# KiCad board Panel2.kicad_pcb (continued)
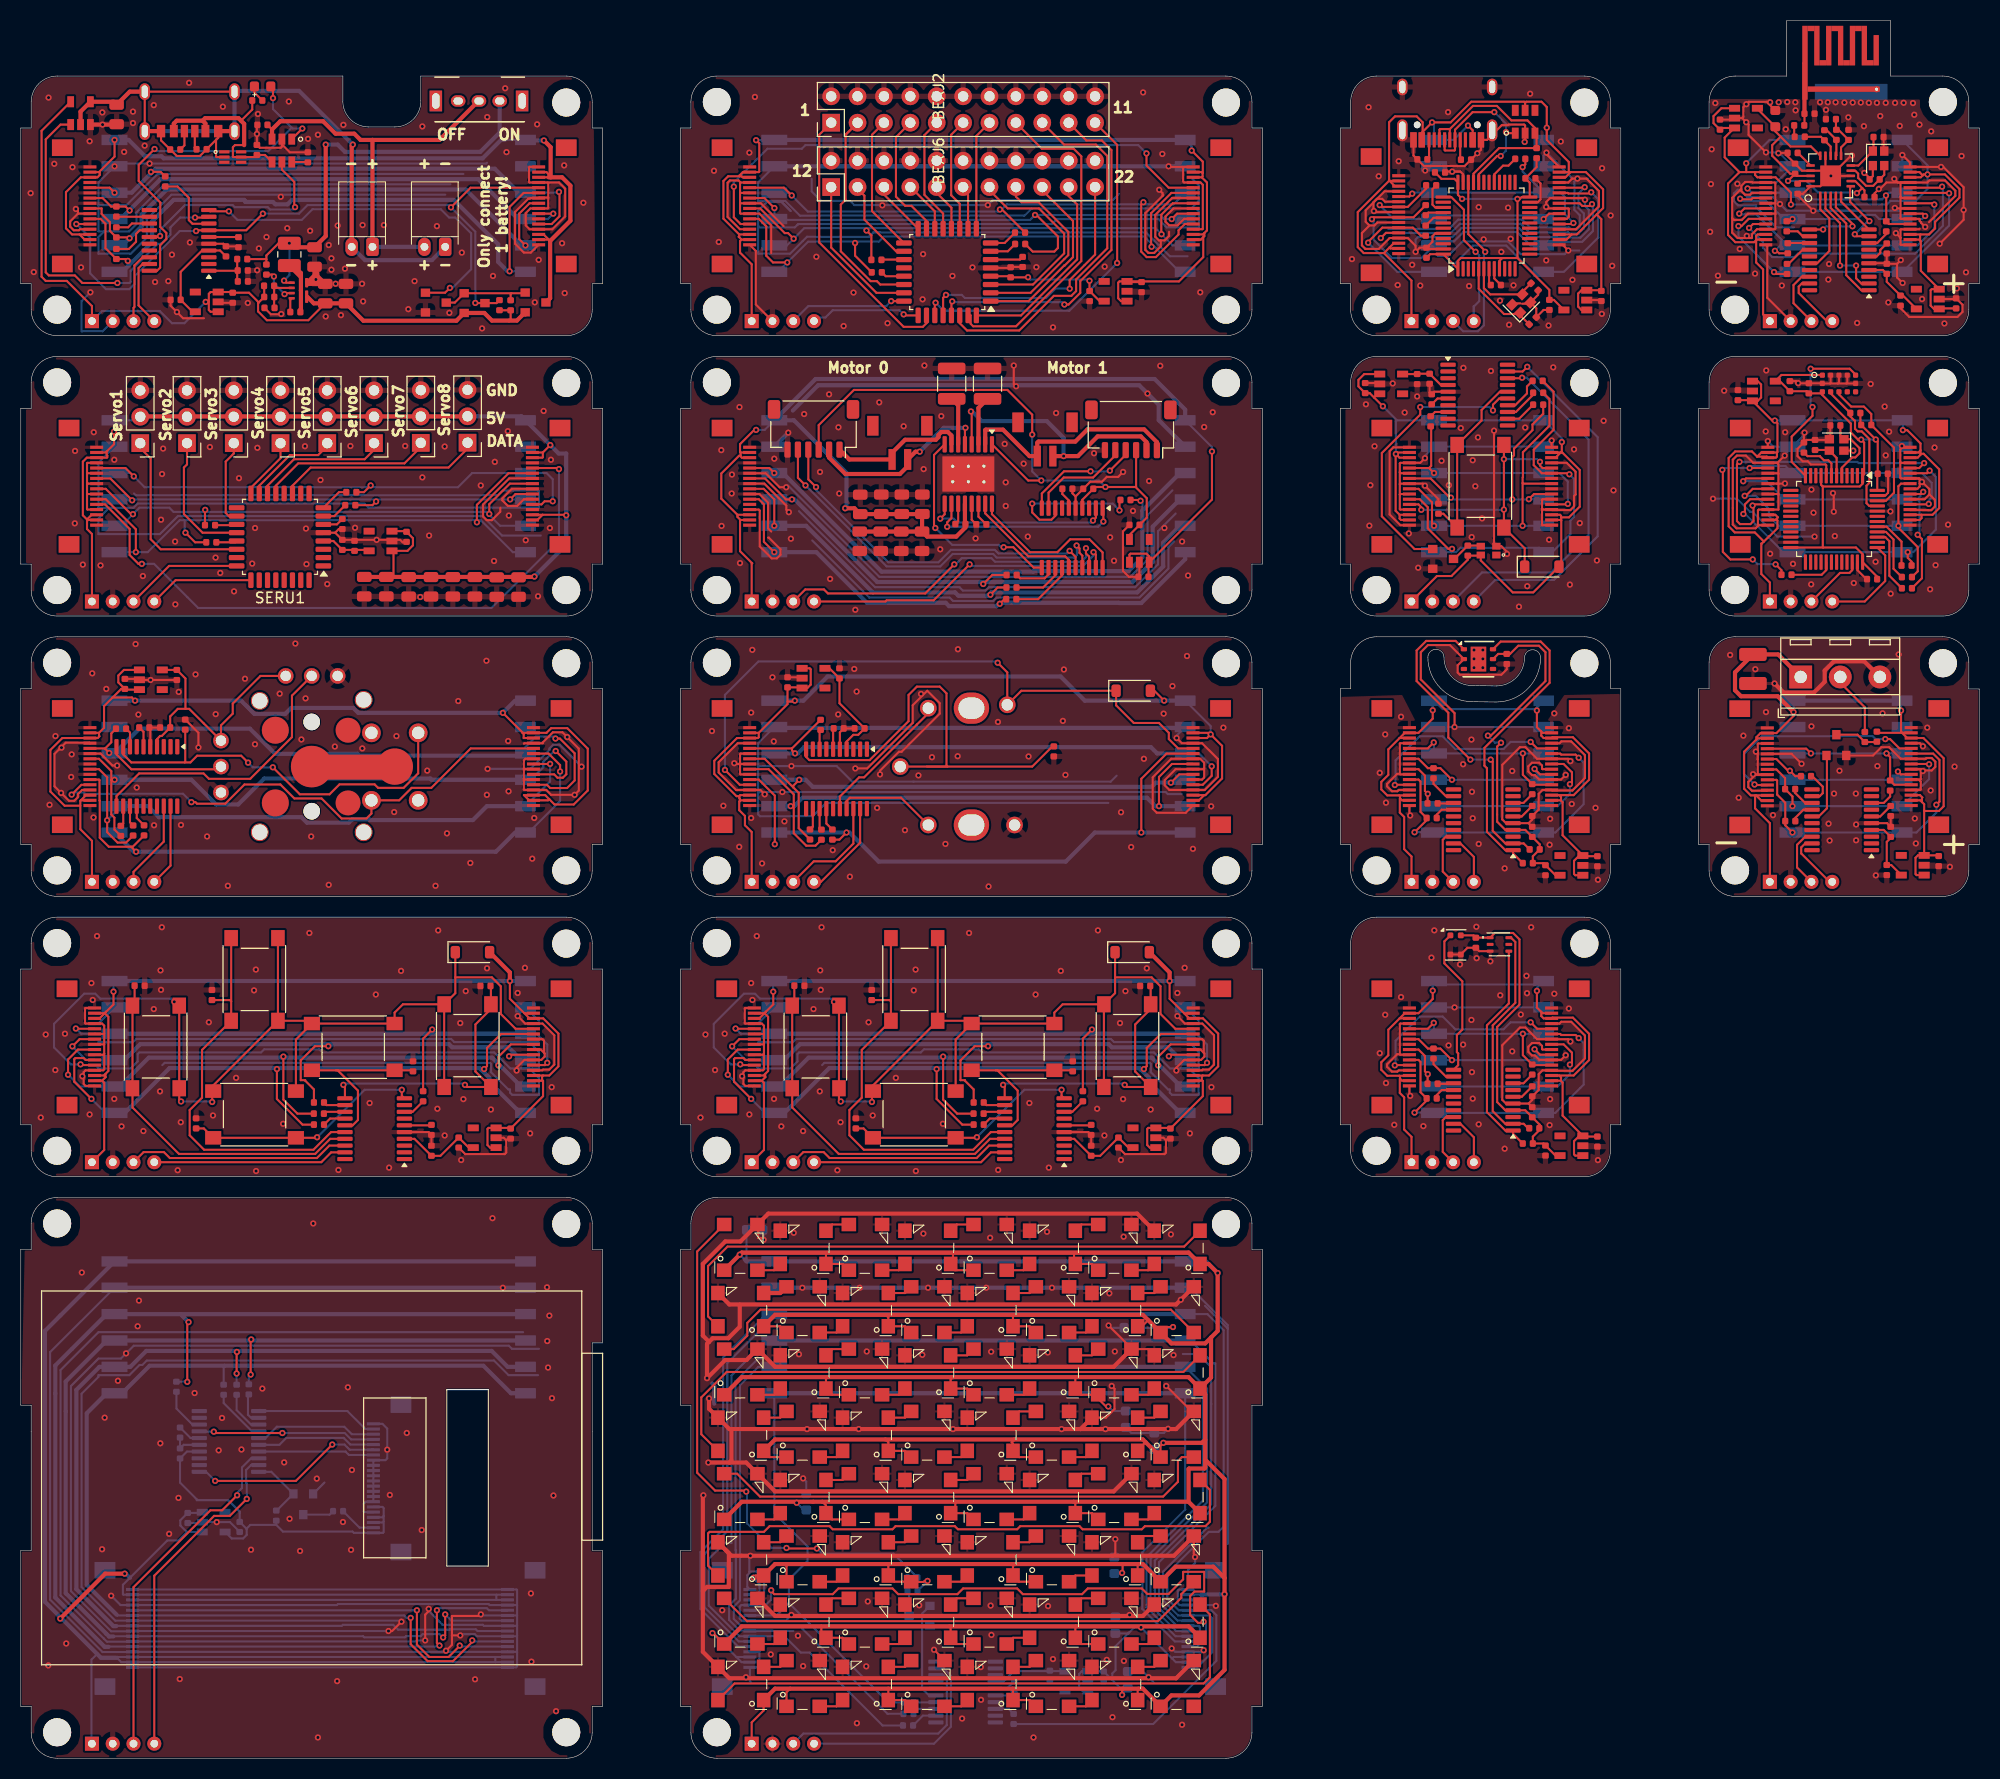
[diagram p0: board, top side]
## Routing (per net, layer and track width the routed paths; a pad name or vN(x,y) marks a point on that pad's centre or on a via; arc(x,y) is an arc through that point) (continued)
USB_USB_D-: length 17.9
  Top w0.2: USBU1.32 140.32,152.53 142.09,154.3 v1(142.44,154.3) ; v1(141.82,158.53) 139.74,158.53 138.04,156.83 138.04,154.88 138,154.83 137.09,154.83 137.04,154.88 137.04,155.85 ; USBIC1.1 143.05,156.5 v1(142.95,156.6)
  Bottom w0.2: v1(142.44,154.3) 142.95,154.81 v1(142.95,156.6) 142.95,157.4 v1(141.82,158.53)
USB_VDD: length 39.8
  Top w0.2: USBC1.1 135.65,144.85 USBU1.48 USBU1.1 138.32,144.21 138.59,144.47 142.88,144.47 ; v1(138.72,150.17) 138.32,150.57 USBU1.36 137.98,152.1 136.74,152.1 136.12,152.72 ; 144.06,144.47 144.06,149.94 144.47,150.35 USBU1.24 145.24,151.73 USBC5.1 145.9,153.24 USBR12.2 ; 144.06,144.47 147.12,141.41 USBC9.1 147.56,140.44 USBU2.5 ; 144.06,144.47 142.88,144.47 ; 142.88,144.47 142.59,144.47 142.32,144.21 USBU1.9
  Bottom w0.2: v1(138.72,150.17) v1(144.05,150.17)
WIR_5V: length 91
  Top w0.2: 183.06,152.44 183.15,152.53 v1(183.53,152.53) 185.2,152.53 186.6,151.12 186.6,150.3 184.25,147.95 184.25,147.33 183.68,146.75 182.85,146.75 ; 183.06,152.44 182.88,152.25 WIRJ3.14 ; 183.06,152.44 182.75,152.75 WIRJ3.15 ; 182.85,146.75 WIRJ3.3 ; 182.85,146.75 182.81,146.71 182.81,146.16 ; v1(170.37,149.63) 170.37,150.77 168.9,152.25 WIRJ5.3 167.15,152.25 166.93,152.47 166.93,152.75 ; 182.81,146.16 182.72,146.25 WIRJ3.2 ; 182.81,146.16 182.88,146.09 182.88,143.25 184.65,141.47 183.92,141.47 183.82,141.38 183.82,139.9 184.15,139.57 WIRU2.1 184.7,139.62 WIRC8.1 ; 166.93,152.75 WIRJ5.2 ; 166.93,152.75 166.07,152.75 ; v1(166.07,153.6) 166.07,152.75 ; 166.07,152.75 165.43,152.75 ; 165.43,152.75 164.32,151.65 164.32,146.7 165.03,146 166.83,146 167.08,146.25 ; 165.43,152.75 164,154.18 164,156.07 164.93,157 WIRU1.3 163.71,157 WIRC11.1 162.93,157.47 162.93,158.14 163.68,158.9 WIRU1.1 ; 167.03,146.2 167.03,144.05 167.7,143.38 167.7,139.05 WIRJ4.1 ; 167.03,146.2 167.03,146.59 167.03,146.6 167.18,146.75 WIRJ5.14 ; 167.03,146.2 167.08,146.25 ; WIRJ5.15 167.08,146.25
  Bottom w0.2: WIRJ2.6 183.53,153.4 v1(183.53,152.53) 183.53,151.12 182.38,149.97 179.95,149.97 179.61,149.63 v1(170.37,149.63) ; v1(166.07,153.6) 168.32,155.85 WIRJ1.1
WIR_GND: length 160.1
  Top w0.2: 180.92,150.38 180.92,151.7 180.97,151.75 WIRJ3.13 ; 180.92,150.38 180.92,149.22 ; 180.92,150.38 181.04,150.25 WIRJ3.10 ; WIRU3.5 179.54,143.97 WIRC2.2 ; 166.12,146.4 166.59,146.4 166.62,146.43 166.62,146.77 167.11,147.25 WIRJ5.13 168.83,147.25 168.88,147.3 168.88,148.72 ; 166.12,146.4 166.12,146.6 v1(166.13,146.61) ; 166.12,146.4 165.25,146.4 164.72,146.93 164.72,148.32 ; WIRU4.21 173.2,151.39 WIRU4.20 171.54,150.66 171.03,150.66 171.03,150.53 v1(172.53,149.03) ; WIRU4.21 174.21,152.39 176.17,154.35 v1(176.25,154.35) ; WIRU4.21 173.7,152.89 ; WIRU4.21 v1(174.22,152.39) WIRU4.8 ; v1(183.3,147.47) 182.9,147.88 182.9,147.93 182.77,148.05 182.77,148.2 182.72,148.25 WIRJ3.6 180.97,148.25 180.92,148.3 180.92,149.22 ; v1(181.1,154.4) 181.84,153.66 WIRJ3.16 v1(184.82,153.25) 185.04,153.25 187,151.29 v1(187,149.1) 187,148.16 v1(184.69,145.86) ; 168.88,149.72 168.88,150.68 ; 168.88,149.72 168.85,149.75 WIRJ5.8 ; 168.88,149.72 168.88,148.72 ; 168.88,150.68 168.81,150.75 WIRJ5.6 166.62,150.75 166.45,150.57 165.95,150.57 165.6,150.93 165.6,151.1 ; 168.88,150.68 168.88,151.7 168.83,151.75 WIRJ5.4 166.68,151.75 166.62,151.8 165.97,151.8 165.6,151.43 165.6,151.1 ; 165.6,151.1 165.55,151.1 164.72,150.28 164.72,148.32 ; 180.92,146.43 180.92,147.2 180.97,147.25 WIRJ3.4 182.72,147.25 182.77,147.3 ; 180.92,146.43 180.92,146.43 v1(180.47,146.88) ; 180.92,146.43 180.92,145.8 180.97,145.75 WIRJ3.1 ; v1(180.32,152.1) 180.68,151.75 WIRJ3.13 ; 173.7,152.89 WIRU4.17 171.45,152.89 WIRC15.2 170.06,154.28 170.06,154.6 169.2,154.6 v1(169.18,154.57) ; 173.7,152.89 WIRU4.14 ; 165.68,157.95 165.8,158.07 165.8,159 v1(166.09,159.29) 166.32,159.53 168.04,159.53 WIRC13.2 ; 165.68,157.95 v1(166.08,157.55) 166.3,157.33 166.3,156.33 v1(167.97,154.65) ; 165.68,157.95 WIRU1.2 164.81,157.81 WIRC11.2 ; WIRC1.2 WIRC2.2 ; WIRC2.2 180.59,143.92 ; WIRJ3.13 179.58,151.75 178.94,151.12 v1(178.83,151.12) 178.43,150.71 WIRC9.2 ; WIRJ3.13 183.5,151.75 183.7,151.95 185.21,151.95 186.2,150.96 186.2,150.46 183.66,147.93 ; WIRY2.4 179.29,154.84 WIRC5.2 ; WIRU2.2 186.21,140.53 WIRC8.2 186.9,139.97 186.9,139.29 186.41,138.8 181.77,138.8 180.93,139.65 WIRC12.2 ; 164.72,148.32 164.9,148.15 165.65,148.15 166.25,148.75 WIRJ5.10 168.85,148.75 168.88,148.72 ; 180.59,143.92 v1(180.95,144.28) ; 180.59,143.92 180.59,142.6 v1(181.12,142.07) ; WIRY2.2 178.26,152.36 WIRC6.2 177.95,152.17 v1(177.45,152.68) ; 180.92,149.22 180.94,149.25 WIRJ3.8 180.43,149.25 v1(180.38,149.3) ; WIRJ4.2 168.1,140.65 168.1,145.6 WIRJ5.16
  Bottom w0.2: 168.97,151.76 WIRJ1.2 169.26,154.57 v1(169.18,154.57) 169.1,154.65 v1(167.97,154.65) ; 180.88,149.03 169.97,149.03 168.63,150.37 166.16,150.37 165.48,151.05 165.25,151.05 164.89,150.69 164.89,149.94 165.28,149.55 167.03,149.55 167.03,149.38 168.97,147.43 170.68,147.43 ; WIRJ2.5 181.1,153.34 v1(181.1,154.4)
  vias: v1(162.6,147) v1(162.68,151.6) v1(162.75,154.95) v1(163.1,159.4) v1(163.35,142.78) v1(165.22,151.62) v1(165.45,145.35) v1(166.93,142.97) v1(168.38,159.47) v1(169.2,159.47) v1(169.32,149.68) v1(169.5,141.82) v1(169.88,156.88) v1(170.03,159.5) v1(170.8,159.47) v1(170.82,158.7) v1(173.18,159.47) v1(173.75,158.75) v1(173.93,159.47) v1(173.97,142.4) v1(174.05,143.9) v1(174.68,159.47) v1(175.53,159.45) v1(175.9,158.03) v1(176.32,159.45) v1(176.75,138.22) v1(177.1,159.45) v1(177.4,157.18) v1(177.88,159.43) v1(178.65,159.43) v1(178.97,158.15) v1(179.5,159.43) v1(179.75,140.2) v1(180.4,159.43) v1(180.85,157.2) v1(181.22,159.43) v1(182.12,159.4) v1(182.25,158.28) v1(182.75,157.32) v1(183,140.53) v1(183.88,156.68) v1(185.15,138.18) v1(186.35,141.55) v1(186.8,154.3) v1(187.22,143.1)
WIR_Interrupt5V: length 30.1
  Top w0.2: v1(166.35,147.38) 166.72,147.75 WIRJ5.12 ; WIRJ3.12 184.82,151.25 v1(184.93,151.35)
  Bottom w0.2: v1(184.93,151.35) 185,151.28 185,147.57 182.31,144.89 171.03,144.89 170.7,144.57 168.58,144.57 167.68,145.48 167.68,146.05 v1(166.35,147.38)
WIR_MISO: length 31.4
  Top w0.2: WIRJ5.9 165.9,149.25 v1(165.4,148.75) ; v1(184.18,149.62) 184.05,149.75 WIRJ3.9 ; v1(168.83,145.17) 168.99,145.17 169.23,144.93 WIRR4.2
  Bottom w0.2: WIRJ1.5 169.35,145.69 v1(168.83,145.17) ; WIRJ1.5 170.03,145.69 167.04,148.69 165.46,148.69 v1(165.4,148.75) ; WIRJ1.5 WIRJ2.2 182.55,145.69 184.18,147.32 v1(184.18,149.62)
WIR_MOSI: length 35.6
  Top w0.2: v1(168.75,143.12) 168.94,142.94 WIRR2.2 ; WIRJ3.11 185.56,150.75 ; WIRJ5.11 166.31,148.25 165.61,147.55 v1(165.32,147.55)
  Bottom w0.2: v1(165.32,147.55) 165.32,146.55 v1(168.75,143.12) 170.5,143.12 WIRJ1.6 WIRJ2.1 181.14,143.15 185.6,147.61 v1(185.6,150.71)
WIR_Net-(AE1-A): length 6.1
  Top w0.2: WIRC10.2 171.68,157.27 WIRC7.1
  Top w0.4: WIRC7.1 171.68,163.23 171.73,163.28
WIR_Net-(C10-Pad1): length 1.1
  Top w0.2: WIRC10.1 170.69,156.2 WIRL3.1
WIR_Net-(U3-NRST): length 2.4
  Top w0.2: WIRU3.6 178.62,144.62 178.98,144.98 178.98,145.26 WIRC1.1
WIR_Net-(U3-PA1): length 2.3
  Top w0.2: WIRU3.8 178.69,145.93 179.55,146.79 WIRR1.1
WIR_Net-(U3-PA5): length 2.4
  Top w0.2: WIRU3.12 171.51,146.57 171.03,147.05 WIRR3.1
WIR_Net-(U3-PA6): length 2.1
  Top w0.2: WIRR4.1 170.1,145.93 WIRU3.13
WIR_Net-(U3-PA7): length 2.7
  Top w0.2: WIRU3.14 171.51,145.28 170.14,143.91 WIRR2.1
WIR_Net-(U4-ANT1): length 3.1
  Top w0.2: WIRU4.12 174.75,154.38 174.75,155.85 173.82,156.78 WIRL1.1
WIR_Net-(U4-ANT2): length 3.8
  Top w0.2: WIRU4.13 174.2,155.22 173.26,156.15 WIRL3.2
WIR_Net-(U4-DVDD): length 1.3
  Top w0.2: WIRU4.19 171.28,151.89 WIRC3.1
WIR_Net-(U4-IREF): length 1.7
  Top w0.2: WIRU4.16 171.05,154.6 WIRR6.2
WIR_Net-(U4-VDD_PA): length 4.4
  Top w0.2: WIRC4.1 174.71,156.87 WIRL4.1 174.95,156.82 WIRC14.1 175.2,155.12 WIRU4.11
WIR_PS: length 22.3
  Top w0.2: WIRJ3.5 179.81,147.75 WIRR1.2 179.55,150.47 v1(179.53,150.5) ; WIRJ5.5 166.28,151.25 v1(166.2,151.18)
  Bottom w0.2: WIRJ2.4 179.79,150.77 v1(179.53,150.5) 179.15,150.12 171.17,150.12 WIRJ1.3 166.6,150.77 v1(166.2,151.18)
WIR_SCLK: length 23.8
  Top w0.2: v1(170.53,148.23) 170.31,148.02 WIRR3.2 ; v1(165.49,150.19) 165.55,150.12 166.56,150.12 166.69,150.25 WIRJ5.7 ; WIRJ3.7 183.07,148.75 v1(183.3,148.53)
  Bottom w0.2: v1(165.49,150.19) 165.71,149.97 167.98,149.97 169.72,148.23 v1(170.53,148.23) 176.78,148.23 177.18,148.63 178.47,148.63 178.88,148.23 WIRJ2.3 183,148.23 v1(183.3,148.53)
WIR_SWDCLK: length 6.1
  Top w0.2: 172.16,142.03 171.43,142.03 171.12,141.72 171.12,141.11 173.83,138.4 WIRJ4.4
WIR_SWDIO: length 6.1
  Top w0.2: WIRJ4.3 170.62,140.12 170.62,141.87 171.43,142.68 WIRU3.18
WIR_VDD: length 6.6
  Top w0.2: WIRU3.4 179.22,143.32 WIRC2.1 179.6,142.19 WIRC12.1 181.16,140.86 WIRU2.5
WIR_VDD_NRF: length 26
  Top w0.2: WIRU1.5 167.15,158.84 WIRC13.1 168.88,156.68 170.33,155.22 172.31,155.22 WIRU4.15 ; 169.39,156.16 168.57,155.35 168.57,154.33 170.31,152.59 WIRC15.1 ; v1(176.72,150.72) 176.75,150.72 177.24,151.21 ; WIRU4.7 176.56,151.89 177.24,151.21 ; 177.24,151.21 177.46,151 177.46,150.35 ; v1(170.1,151.9) 170.1,151.91 WIRC15.1 ; WIRC15.1 170.98,152.39 WIRU4.18
  Bottom w0.2: v1(170.1,151.9) 171.88,151.9 172.97,150.8 176.65,150.8 v1(176.72,150.72)
WIR_W_CSN: length 11.5
  Top w0.2: v1(176.65,143.75) 176.65,142.53 177.15,142.03 177.89,142.03 ; WIRU4.2 173.7,149.23 175.1,147.83 v1(175.1,143.75)
  Bottom w0.2: v1(176.65,143.75) v1(175.1,143.75)
WIR_W_Enable: length 8.1
  Top w0.2: WIRU3.16 172.9,143.97 174.07,145.15 174.07,148.29 173.2,149.17 WIRU4.1
WIR_W_INT: length 7.5
  Top w0.2: WIRU4.6 176.07,151.32 176.07,149.89 v1(177.93,148.03) ; WIRU3.9 176.71,146.57 v1(176.52,146.76)
  Bottom w0.2: v1(177.93,148.03) 177.79,148.03 v1(176.52,146.76)
WIR_W_MISO: length 4.3
  Top w0.2: 177.89,147.22 175.2,149.91 WIRU4.5
WIR_W_MOSI: length 7.8
  Top w0.2: WIRU4.4 174.7,149.37 176.3,147.77 v1(176.3,147.53) ; v1(173.47,147.22) 172.16,147.22
  Bottom w0.2: v1(176.3,147.53) 173.78,147.53 v1(173.47,147.22)
WIR_W_SCK: length 11
  Top w0.2: WIRU4.3 174.2,149.3 175.7,147.8 175.7,142.83 177.15,141.38 WIRU3.1
WIR_XC13: length 4.1
  Top w0.2: WIRC5.1 178.32,154.84 WIRY2.1 176.87,153.39 WIRU4.10
WIR_XC23: length 5.4
  Top w0.2: WIRU4.9 176.56,152.89 176.85,152.6 176.85,152.19 177.61,151.43 178.3,151.43 WIRC6.1 179.36,152.49 WIRY2.3

## Copper pours and planes (outline as drawn; the poured copper is in the pictures)
BAT_GND on Top, Bottom: -0.77,162.65 55.1,162.7 55.35,136.5 -1.08,136.3
BEX_GND on Top, Bottom: 62.52,163.15 120.78,162.8 121.72,135.78 62.12,136.57
BLK_GND on Top, Bottom: 62,82.1 121.47,82.55 120.85,55.78 61.75,55.15
BTS_GND on Top, Bottom: -1.5,82.1 57.98,82.55 57.35,55.78 -1.75,55.15
BUT_GND on Top, Bottom: 127.5,135.5 161.5,135.5 161.5,109.5 127.5,109.5
DIA_GND on Top, Bottom: 62.95,108.6 121.4,109.03 121.78,82.08 62.7,82.4
DIS_GND on Top, Bottom: 160.4,136.25 195.9,135.6 195.9,109.6 159.35,109.05
JOY_GND on Top, Bottom: -1.3,108.6 57.58,108.84 58.07,82.18 -1.15,82.35
LED_GND on Top, Bottom: 160.75,109.03 196,108.5 196,82.5 160.68,82.72
LIG_GND on Top, Bottom: 126.3,81.5 160.3,81.5 160.3,55.5 126.3,55.5
MAT_GND on Top, Bottom: 62.58,55.32 121.36,55.12 125.39,-4.63 61.34,-4.45
MOT_GND on Top, Bottom: 62.95,135.7 119.9,135.72 121.35,109.35 63.05,109.6
SCR_GND on Top, Bottom: 0.5,54.5 55.96,55.04 57.3,-0.43 -0.73,-1.32
SER_GND on Top, Bottom: 0.5,135.5 57.23,135.47 59.08,109.55 0.5,109.5
TMP_/DAP on Bottom: 136.03,108.42 145.65,108.62 145.47,105.58 142.7,102.33 139.22,102.6 136.72,104.47 136,108.45
TMP_GND on Top, Bottom: 126.3,108.5 160.3,108.5 160.3,82.5 126.3,82.5
USB_GND on Top, Bottom: 125.7,162.45 159.7,162.45 159.7,136.45 125.7,136.45
WIR_GND on Top, Bottom: 159.62,159.75 162.4,159.8 189.75,159.72 190.57,157.6 188.68,136.55 159.3,135.9
WIR_GND on Bottom: 172.05,159.79 172.67,159.79 172.67,161.25 187.53,161.25 187.51,159.16 172.03,159.17
